# KiCad board kim-1.kicad_pcb (continued)
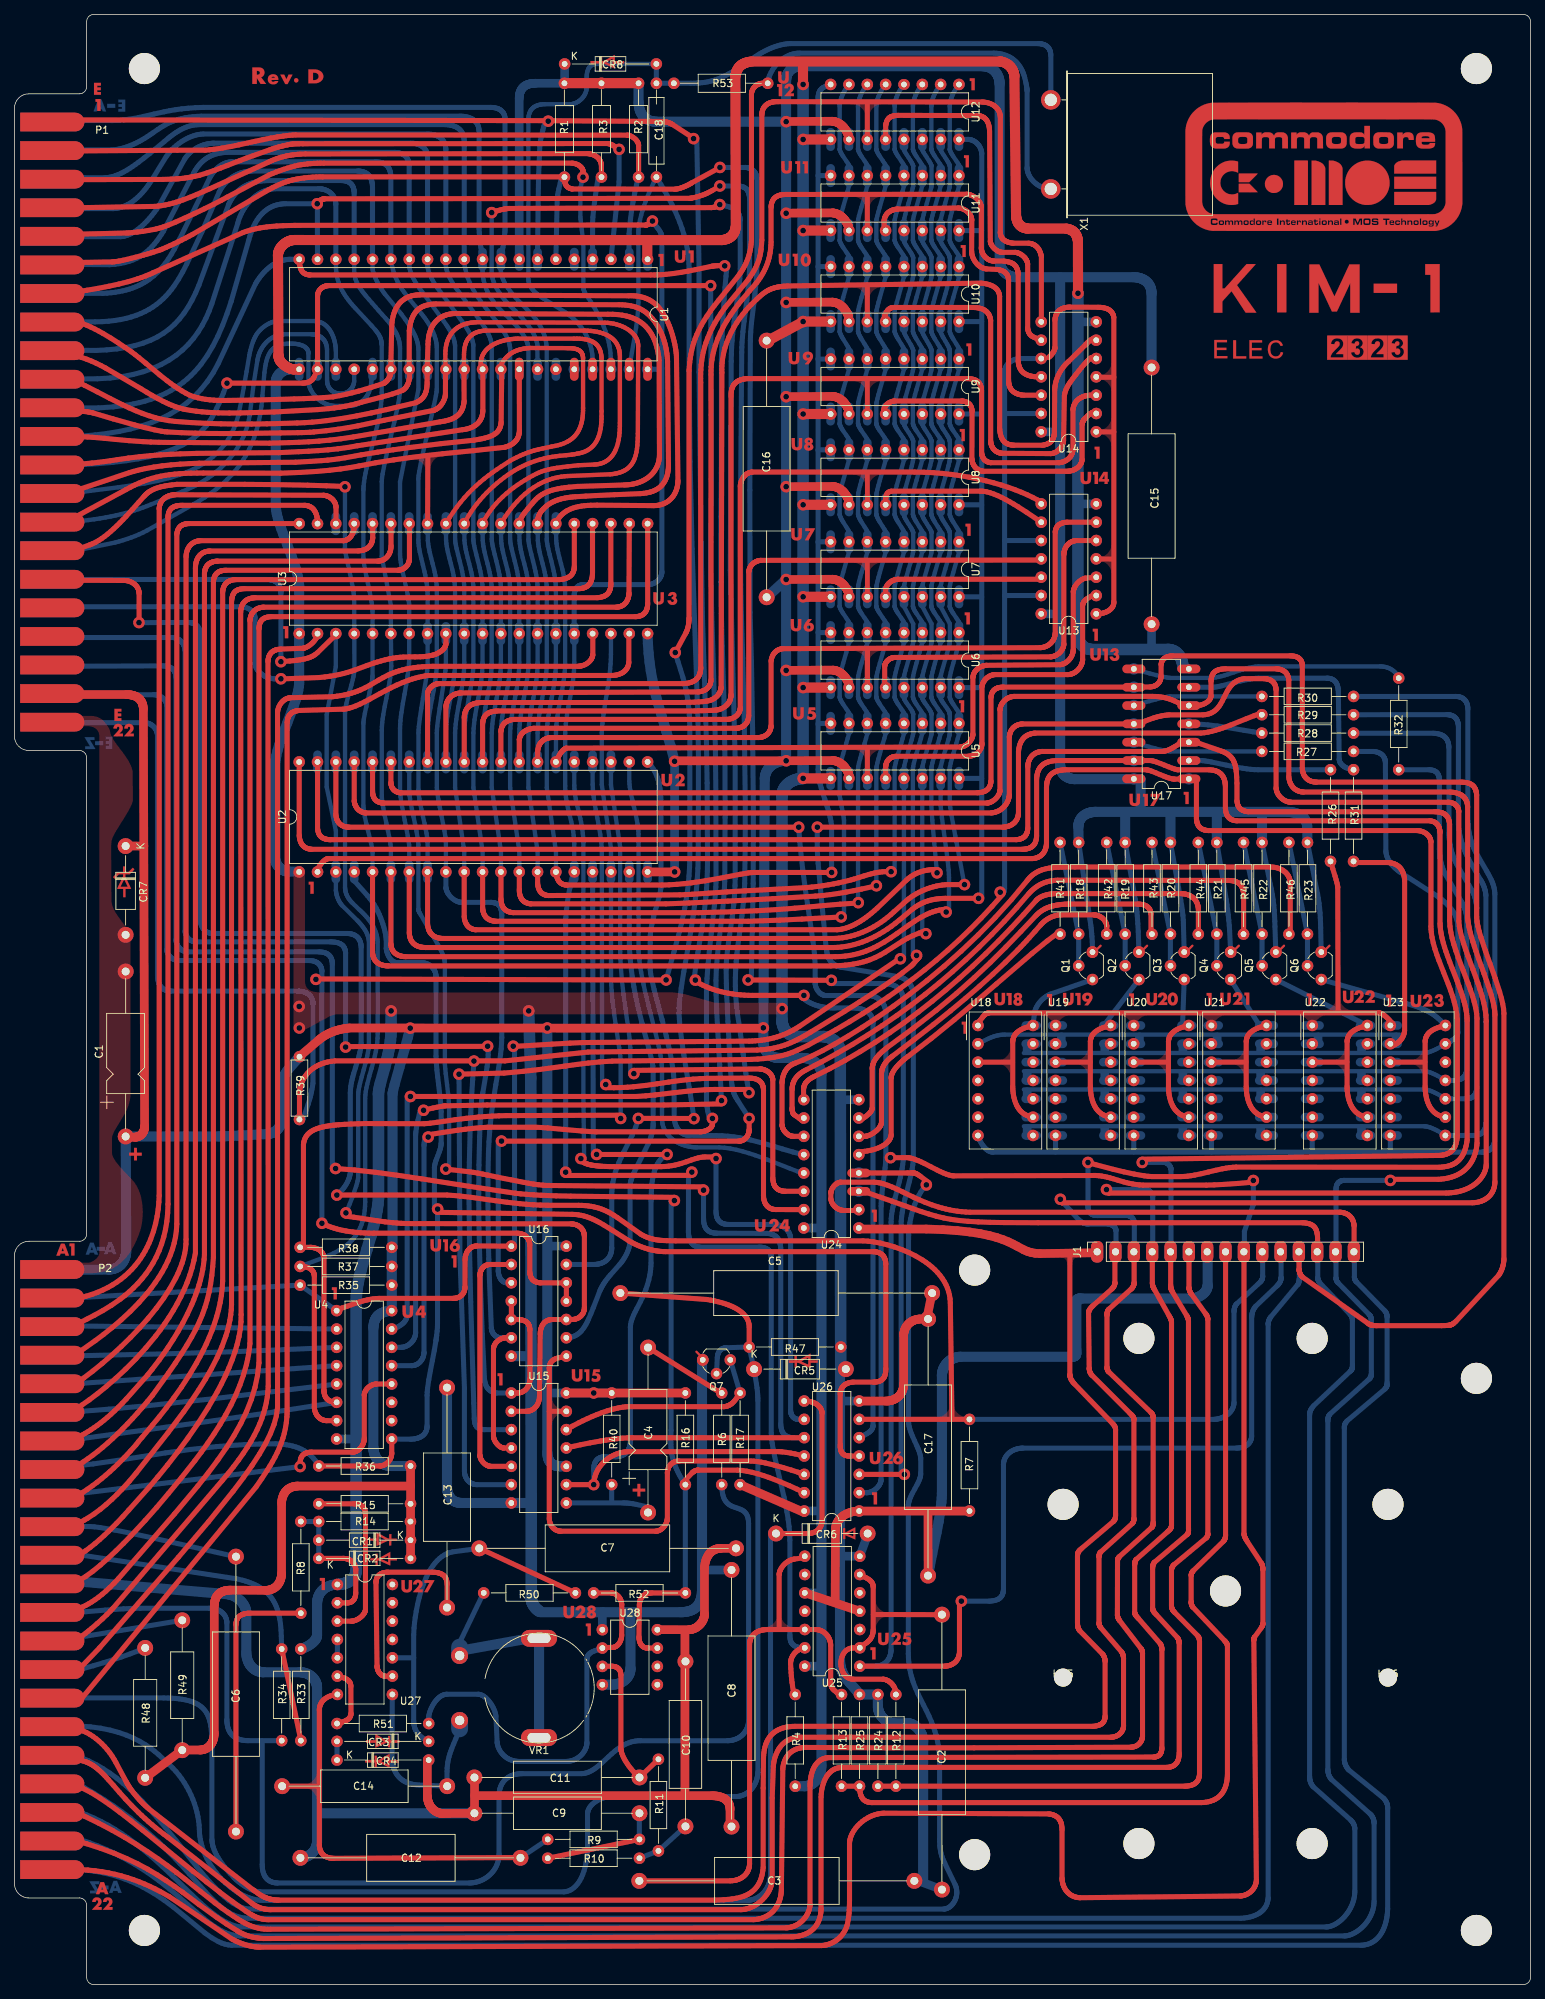
[diagram p0: board, top side]
## Routing (per net, layer and track width the routed paths; a pad name or vN(x,y) marks a point on that pad's centre or on a via; arc(x,y) is an arc through that point) (continued)
  Bottom w0.127: 95.25,57.45 95.24,57.46 ; 81.43,51.55 81.48,51.6
  Bottom w1.2: 149.84,230.4 147.24,230.4 ; 118.18,62.33 117.08,59.36 114.34,59.36 ; 44.62,75.6 47.31,75.6 ; U13.7 147.29,205.18 ; U28.1 81.43,51.55 ; 116.95,122.61 114.42,122.61 ; 117,80.86 114.3,80.86 ; 157.5,188.5 157.5,185.01 ; C8.2 95.25,57.45 ; 128.47,13.16 125.2,14.37
  Bottom w1.4: 39.53,154.23 37.96,154.23 37.88,154.23 37.79,154.24 37.71,154.25 37.62,154.27 37.54,154.29 37.46,154.32 37.37,154.35 37.29,154.38 37.21,154.42 37.14,154.46 37.06,154.51 36.98,154.56 36.91,154.61 36.84,154.67 36.77,154.73 36.7,154.79 36.64,154.85 36.58,154.92 36.52,154.99 36.46,155.06 36.41,155.13 36.36,155.21 36.32,155.28 36.28,155.36 36.24,155.44 36.21,155.52 36.18,155.6 36.16,155.68 36.14,155.77 36.13,155.85 36.12,155.93 36.11,156.01 36.11,168.96 36.13,169.26 36.16,169.58 36.26,170.25 36.43,170.96 36.65,171.7 36.9,172.47 37.18,173.25 37.79,174.85 38.4,176.42 38.68,177.19 38.93,177.92 39.14,178.62 39.3,179.28 39.4,179.9 39.43,180.18 39.43,180.45 39.43,193.85 39.38,194.43 39.27,195.07 39.1,195.74 38.89,196.46 38.65,197.2 38.38,197.96 37.79,199.5 37.21,201.03 36.94,201.77 36.7,202.48 36.5,203.15 36.34,203.77 36.24,204.34 36.2,204.86 36.2,221.96 36.2,222.06 36.21,222.16 36.22,222.26 36.24,222.35 36.26,222.44 36.29,222.53 36.33,222.62 36.37,222.71 36.41,222.79 36.46,222.87 36.51,222.95 36.56,223.03 36.62,223.1 36.69,223.17 36.75,223.24 36.82,223.31 36.9,223.37 36.97,223.43 37.05,223.48 37.13,223.53 37.22,223.58 37.3,223.62 37.39,223.67 37.48,223.7 37.58,223.73 37.67,223.76 37.77,223.79 37.86,223.81 37.96,223.82 38.06,223.84 38.16,223.84 38.27,223.85 39.12,223.84 ; 59.92,82.71 59.92,69.03 59.92,68.81 59.94,68.59 59.97,68.37 60.02,68.17 60.09,67.97 60.12,67.87 60.17,67.78 60.21,67.69 60.26,67.6 60.32,67.52 60.38,67.44 60.44,67.36 60.51,67.29 60.58,67.22 60.65,67.15 60.73,67.09 60.82,67.03 60.9,66.98 61,66.93 61.1,66.89 61.2,66.85 61.3,66.82 61.42,66.79 61.53,66.77 61.65,66.75 61.78,66.74 61.91,66.73 71.49,66.73 ; 44.73,55.45 44.46,55.43 44.19,55.39 43.93,55.34 43.8,55.3 43.67,55.26 43.55,55.22 43.43,55.17 43.31,55.11 43.2,55.05 43.09,54.99 42.98,54.91 42.88,54.84 42.78,54.76 42.68,54.67 42.59,54.58 42.51,54.48 42.43,54.38 42.35,54.27 42.28,54.16 42.22,54.04 42.16,53.92 42.1,53.79 42.06,53.66 42.02,53.52 41.98,53.38 41.95,53.22 41.93,53.07 41.92,52.91 41.91,52.74 41.91,48.46 41.91,48.37 41.9,48.28 41.88,48.2 41.85,48.11 41.82,48.03 41.78,47.94 41.73,47.86 41.68,47.78 41.63,47.71 41.57,47.63 41.43,47.48 41.28,47.35 41.11,47.21 40.94,47.09 40.76,46.98 40.57,46.87 40.38,46.78 40.2,46.69 40.01,46.62 39.84,46.55 39.67,46.5 ; 114.35,85.33 114.35,44.84 114.36,44.64 114.37,44.44 114.4,44.25 114.43,44.07 114.47,43.89 114.52,43.71 114.57,43.55 114.64,43.39 114.7,43.23 114.78,43.08 114.94,42.79 115.13,42.51 115.33,42.24 115.54,41.98 115.75,41.73 116.2,41.24 116.42,40.99 116.64,40.73 116.84,40.47 117.04,40.2 119.58,40.19 119.6,38.49 119.61,38.38 119.62,38.27 119.64,38.16 119.66,38.05 119.69,37.94 119.73,37.84 119.77,37.74 119.81,37.63 119.86,37.53 119.92,37.43 119.98,37.34 120.04,37.24 120.11,37.15 120.18,37.06 120.26,36.98 120.33,36.9 120.42,36.82 120.5,36.74 120.59,36.67 120.68,36.61 120.77,36.54 120.87,36.49 120.97,36.43 121.07,36.38 121.17,36.34 121.27,36.3 121.38,36.27 121.48,36.24 121.59,36.22 121.7,36.21 121.81,36.2 121.92,36.2 123.67,36.22 123.78,36.21 123.89,36.2 123.99,36.18 124.1,36.16 124.2,36.12 124.3,36.09 124.4,36.04 124.5,35.99 124.6,35.94 124.69,35.88 124.78,35.81 124.87,35.74 124.96,35.67 125.04,35.59 125.12,35.51 125.2,35.43 125.27,35.34 125.34,35.25 125.41,35.15 125.47,35.06 125.53,34.96 125.58,34.85 125.63,34.75 125.68,34.64 125.72,34.54 125.76,34.43 125.79,34.32 125.82,34.21 125.84,34.1 125.85,33.99 125.86,33.87 125.87,33.76 125.86,14.37 ; 81.43,41.55 82.78,41.55 83.01,41.57 83.24,41.6 83.47,41.65 83.69,41.72 83.91,41.8 84.02,41.85 84.12,41.9 84.22,41.96 84.32,42.02 84.42,42.09 84.51,42.16 84.6,42.23 84.69,42.31 84.77,42.39 84.85,42.48 84.92,42.57 84.99,42.67 85.05,42.77 85.11,42.88 85.16,42.99 85.2,43.1 85.24,43.22 85.27,43.35 85.3,43.47 85.32,43.61 85.33,43.75 85.33,43.89 85.33,51.42 ; 72.91,51.6 92.26,51.6 92.47,51.6 92.66,51.62 92.85,51.63 93.03,51.66 93.2,51.69 93.37,51.73 93.52,51.77 93.67,51.82 93.81,51.88 93.94,51.94 94.06,52.01 94.18,52.09 94.29,52.17 94.4,52.26 94.49,52.35 94.58,52.45 94.67,52.55 94.75,52.66 94.82,52.78 94.88,52.9 94.94,53.03 94.99,53.16 95.04,53.3 95.08,53.44 95.12,53.59 95.15,53.74 95.2,54.06 95.23,54.4 95.24,54.76 95.24,86.56 ; U16.7 71.52,87.08
  Bottom w1.6: 72.73,51.72 72.68,51.75 72.56,51.83 72.47,51.9 72.38,51.98 72.28,52.07 72.17,52.18 72.07,52.31 71.96,52.45 71.87,52.6 71.82,52.68 71.78,52.77 71.74,52.86 71.71,52.95 71.67,53.04 71.65,53.14 71.62,53.25 71.61,53.36 71.6,53.47 71.59,53.58 71.52,125.6 71.23,134.92 ; 147.31,234.35 147.31,187.32 147.31,187.08 147.33,186.86 147.37,186.64 147.42,186.43 147.48,186.23 147.52,186.13 147.56,186.04 147.61,185.95 147.66,185.87 147.71,185.78 147.77,185.7 147.83,185.63 147.89,185.55 147.96,185.49 148.04,185.42 148.11,185.36 148.19,185.3 148.28,185.25 148.37,185.2 148.46,185.16 148.55,185.12 148.65,185.09 148.76,185.06 148.86,185.04 148.97,185.02 149.09,185.01 149.21,185 159.73,185 159.86,185 159.99,184.98 160.11,184.97 160.23,184.94 160.34,184.91 160.45,184.87 160.55,184.83 160.65,184.78 160.75,184.72 160.84,184.66 160.93,184.59 161.02,184.52 161.1,184.45 161.17,184.37 161.24,184.29 161.31,184.2 161.38,184.11 161.44,184.02 161.49,183.92 161.54,183.83 161.59,183.72 161.64,183.62 161.67,183.52 161.71,183.41 161.74,183.3 161.77,183.19 161.81,182.97 161.83,182.75 161.84,182.52 ; 109.24,263.3 109.24,167.13 109.08,167.13 108.92,167.11 108.77,167.09 108.62,167.07 108.48,167.04 108.34,167.01 108.2,166.96 108.06,166.92 107.93,166.87 107.81,166.81 107.68,166.75 107.57,166.69 107.45,166.62 107.34,166.55 107.24,166.47 107.14,166.39 107.04,166.31 106.95,166.22 106.87,166.13 106.79,166.04 106.72,165.94 106.65,165.84 106.59,165.74 106.53,165.63 106.48,165.52 106.44,165.41 106.4,165.3 106.37,165.18 106.35,165.06 106.33,164.94 106.32,164.82 106.32,164.7 106.32,133.71 106.32,133.59 106.33,133.47 106.34,133.35 106.36,133.23 106.38,133.12 106.4,133 106.43,132.89 106.47,132.79 106.51,132.68 106.56,132.58 106.6,132.48 106.66,132.39 106.72,132.3 106.78,132.21 106.84,132.13 106.91,132.04 106.99,131.97 107.06,131.89 107.14,131.83 107.23,131.76 107.32,131.7 107.41,131.64 107.5,131.59 107.6,131.55 107.7,131.5 107.81,131.47 107.92,131.44 108.03,131.41 108.14,131.39 108.26,131.37 108.38,131.36 108.5,131.36 111.97,131.36 112.09,131.36 112.21,131.35 112.32,131.33 112.44,131.31 112.55,131.29 112.66,131.26 112.77,131.23 112.88,131.19 112.98,131.14 113.08,131.1 113.18,131.04 113.28,130.99 113.38,130.93 113.47,130.86 113.56,130.8 113.64,130.72 113.72,130.65 113.8,130.57 113.88,130.49 113.94,130.41 114.01,130.32 114.07,130.23 114.13,130.13 114.18,130.04 114.22,129.94 114.26,129.84 114.3,129.73 114.33,129.62 114.35,129.52 114.37,129.41 114.38,129.29 114.39,129.18 114.45,85.28 ; 44.73,55.45 44.96,55.46 45.19,55.48 45.42,55.52 45.65,55.57 45.76,55.6 45.87,55.64 45.98,55.68 46.09,55.72 46.19,55.77 46.29,55.82 46.39,55.88 46.48,55.94 46.58,56 46.66,56.07 46.75,56.14 46.83,56.21 46.9,56.29 46.97,56.37 47.03,56.46 47.09,56.55 47.14,56.64 47.19,56.74 47.23,56.84 47.26,56.94 47.29,57.05 47.31,57.17 47.32,57.28 47.32,57.41 47.32,94.66 47.36,95.5 47.46,96.37 47.61,97.25 47.8,98.16 48.03,99.07 48.28,100 48.82,101.87 49.37,103.73 49.87,105.55 50.07,106.44 50.24,107.31 50.36,108.15 50.42,108.97 50.42,123.43 50.44,123.74 50.5,124.1 50.58,124.5 50.69,124.94 51.28,127.06 51.6,128.27 51.74,128.9 51.87,129.53 51.99,130.18 52.08,130.82 52.14,131.47 52.17,132.11 52.17,134.92
  vias: v1(39.44,135.54) v1(39.46,132.55) v1(52.17,134.92) v1(71.23,134.92) v1(106.33,135.24) v1(109.24,263.3) v1(109.24,255.68) v1(147.31,234.36)
VCC: length 1362.1
  Top w1.2: 91.44,169.57 106.89,169.58 113.35,169.61 113.45,169.6 113.56,169.59 113.68,169.56 113.8,169.53 113.92,169.49 114.05,169.44 114.17,169.38 114.3,169.31 114.44,169.23 114.57,169.13 114.7,169.02 114.76,168.96 114.83,168.89 114.89,168.83 114.96,168.75 115.02,168.68 115.08,168.6 115.15,168.51 115.21,168.42 115.27,168.33 115.33,168.23 115.37,168.16 115.42,168.07 115.45,168.02 115.47,167.97 115.49,167.91 115.52,167.85 115.54,167.78 115.56,167.71 115.58,167.63 115.6,167.54 115.61,167.45 115.63,167.35 115.63,167.24 115.64,167.12 ; 132.29,65.61 116.99,65.61 116.69,65.6 116.4,65.57 116.1,65.52 115.81,65.44 115.53,65.34 115.26,65.23 115,65.09 114.88,65.01 114.76,64.93 114.65,64.85 114.54,64.75 114.43,64.66 114.34,64.56 114.24,64.45 114.16,64.34 114.08,64.23 114.01,64.11 113.94,63.98 113.89,63.85 113.84,63.72 113.8,63.58 113.76,63.44 113.74,63.29 113.73,63.14 113.72,62.98 113.68,53.18 ; 103.72,132.52 46.4,132.55 46.12,132.52 45.84,132.48 45.56,132.43 45.28,132.38 45.01,132.32 44.74,132.24 44.47,132.16 44.21,132.07 43.95,131.97 43.69,131.86 43.44,131.74 43.19,131.61 42.94,131.47 42.7,131.31 42.47,131.14 42.24,130.96 39.46,128.58 ; 115.6,217.64 115.6,217.7 115.59,217.76 115.59,217.81 115.58,217.86 115.58,217.91 115.57,217.96 115.56,218 115.55,218.09 115.53,218.17 115.51,218.24 115.48,218.31 115.46,218.37 115.43,218.43 115.41,218.49 115.38,218.53 115.36,218.58 115.34,218.62 115.29,218.69 115.23,218.79 115.17,218.88 115.11,218.97 115.05,219.06 114.99,219.14 114.92,219.21 114.86,219.29 114.79,219.36 114.73,219.42 114.66,219.48 114.6,219.54 114.53,219.59 114.4,219.69 114.27,219.77 114.14,219.84 114.01,219.9 113.88,219.95 113.76,219.99 113.64,220.02 113.53,220.05 113.42,220.06 113.31,220.07 106.89,220.04 ; 106.89,182.11 113.35,182.14 113.45,182.13 113.56,182.12 113.68,182.09 113.8,182.06 113.92,182.02 114.05,181.97 114.17,181.91 114.31,181.84 114.44,181.76 114.57,181.66 114.63,181.61 114.7,181.55 114.76,181.49 114.83,181.43 114.89,181.36 114.96,181.28 115.02,181.21 115.09,181.13 115.15,181.04 115.21,180.95 115.27,180.86 115.33,180.76 115.37,180.69 115.4,180.65 115.42,180.6 115.45,180.56 115.47,180.5 115.5,180.44 115.52,180.38 115.54,180.31 115.56,180.24 115.58,180.16 115.6,180.07 115.61,180.03 115.62,179.98 115.62,179.93 115.63,179.88 115.63,179.83 115.63,179.77 115.64,179.71 ; 115.59,243.07 115.59,243.13 115.59,243.18 115.58,243.24 115.58,243.29 115.57,243.34 115.56,243.38 115.56,243.43 115.54,243.52 115.52,243.6 115.5,243.67 115.48,243.74 115.45,243.8 115.43,243.86 115.4,243.91 115.38,243.96 115.35,244.01 115.33,244.05 115.28,244.12 115.23,244.22 115.16,244.31 115.1,244.4 115.04,244.49 114.98,244.57 114.91,244.64 114.85,244.72 114.79,244.78 114.72,244.85 114.65,244.91 114.59,244.97 114.52,245.02 114.39,245.12 114.26,245.2 114.13,245.27 114,245.33 113.88,245.38 113.75,245.42 113.63,245.45 113.52,245.47 113.41,245.49 113.31,245.5 106.89,245.47 ; v1(106.89,194.7) 113.32,194.73 113.42,194.72 113.53,194.71 113.65,194.68 113.77,194.65 113.89,194.61 114.01,194.56 114.14,194.5 114.27,194.43 114.4,194.35 114.54,194.25 114.6,194.2 114.67,194.14 114.73,194.08 114.8,194.02 114.86,193.95 114.93,193.88 114.99,193.8 115.05,193.72 115.12,193.63 115.18,193.55 115.24,193.45 115.3,193.35 115.34,193.28 115.36,193.24 115.39,193.2 115.41,193.15 115.44,193.09 115.46,193.03 115.49,192.97 115.51,192.9 115.53,192.83 115.55,192.75 115.57,192.66 115.58,192.62 115.58,192.57 115.59,192.52 115.59,192.47 115.6,192.42 115.6,192.36 115.61,192.3 ; v1(91.45,154.18) U2.20 ; 106.89,233.1 113.28,233.13 113.38,233.13 113.49,233.11 113.61,233.09 113.73,233.06 113.85,233.02 113.97,232.97 114.1,232.91 114.23,232.83 114.36,232.75 114.5,232.65 114.56,232.6 114.63,232.54 114.69,232.48 114.76,232.42 114.82,232.35 114.89,232.28 114.95,232.2 115.01,232.12 115.08,232.04 115.14,231.95 115.2,231.85 115.26,231.76 115.3,231.68 115.32,231.64 115.35,231.6 115.37,231.55 115.4,231.5 115.42,231.44 115.45,231.37 115.47,231.31 115.49,231.23 115.51,231.15 115.53,231.06 115.54,231.02 115.54,230.97 115.55,230.92 115.55,230.87 115.56,230.82 115.56,230.76 115.56,230.71 115.57,230.65 ; 54.87,59.04 54.87,71.85 ; 126.56,56.64 126.54,65.57 ; 15.41,117.43 16.63,117.42 16.7,117.42 16.78,117.43 16.86,117.44 16.93,117.45 17,117.47 17.07,117.49 17.14,117.51 17.2,117.54 17.27,117.57 17.33,117.6 17.39,117.64 17.44,117.68 17.5,117.72 17.55,117.77 17.6,117.82 17.65,117.87 17.69,117.92 17.73,117.97 17.77,118.03 17.81,118.09 17.85,118.15 17.88,118.22 17.91,118.28 17.93,118.35 17.95,118.42 17.97,118.49 17.99,118.56 18.01,118.63 18.02,118.7 18.02,118.78 18.03,118.85 18.03,118.93 17.86,176.74 17.84,176.97 17.81,177.18 17.78,177.29 17.75,177.39 17.72,177.49 17.69,177.58 17.65,177.67 17.6,177.76 17.55,177.84 17.5,177.92 17.45,178 17.39,178.07 17.32,178.14 17.25,178.21 17.18,178.27 17.1,178.33 17.02,178.39 16.93,178.44 16.84,178.49 16.74,178.53 16.64,178.57 16.53,178.61 16.42,178.64 16.31,178.67 16.19,178.69 16.06,178.71 15.93,178.73 15.8,178.74 15.51,178.76 7.81,178.76 ; 76.45,81.97 92.94,81.98 ; 115.6,205.11 115.6,205.17 115.6,205.22 115.59,205.28 115.59,205.33 115.58,205.38 115.58,205.43 115.57,205.48 115.56,205.52 115.55,205.61 115.53,205.69 115.5,205.77 115.48,205.83 115.46,205.9 115.43,205.96 115.41,206.01 115.38,206.06 115.36,206.1 115.33,206.14 115.29,206.22 115.23,206.31 115.17,206.41 115.11,206.5 115.05,206.58 114.98,206.66 114.92,206.74 114.86,206.81 114.79,206.88 114.73,206.94 114.66,207 114.6,207.06 114.53,207.11 114.4,207.21 114.27,207.29 114.14,207.37 114.01,207.43 113.88,207.48 113.76,207.52 113.64,207.55 113.53,207.57 113.42,207.59 113.31,207.6 106.89,207.56 ; 54.87,69.08 39.24,69.08 39.1,69.07 38.96,69.06 38.82,69.04 38.69,69.01 38.57,68.98 38.45,68.94 38.34,68.9 38.23,68.85 38.13,68.8 38.03,68.74 37.94,68.68 37.85,68.61 37.77,68.54 37.69,68.46 37.61,68.38 37.54,68.3 37.48,68.22 37.42,68.13 37.36,68.04 37.31,67.94 37.26,67.84 37.22,67.75 37.15,67.54 37.09,67.33 37.04,67.11 37.01,66.89 37,66.67 37,56.98 36.99,56.85 36.99,56.73 36.97,56.61 36.95,56.49 36.93,56.38 36.9,56.27 36.87,56.15 36.83,56.05 36.79,55.94 36.75,55.84 36.7,55.74 36.65,55.65 36.59,55.56 36.53,55.47 36.47,55.39 36.4,55.31 36.32,55.23 36.25,55.16 36.17,55.09 36.08,55.02 36,54.96 35.9,54.91 35.81,54.86 35.71,54.81 35.61,54.77 35.5,54.73 35.4,54.7 35.28,54.68 35.17,54.66 35.05,54.64 34.93,54.63 34.8,54.62 29.94,54.66 29.71,54.65 29.48,54.63 29.26,54.59 29.16,54.57 29.06,54.54 28.96,54.51 28.86,54.47 28.77,54.43 28.68,54.39 28.59,54.34 28.51,54.28 28.42,54.23 28.35,54.16 28.27,54.1 28.2,54.02 28.14,53.95 28.07,53.87 28.02,53.78 27.96,53.69 27.91,53.59 27.87,53.49 27.83,53.38 27.79,53.27 27.76,53.15 27.73,53.03 27.71,52.9 27.7,52.77 27.69,52.63 27.68,52.48 27.68,34.88 27.67,34.67 27.65,34.46 27.62,34.25 27.57,34.04 27.54,33.94 27.5,33.84 27.46,33.74 27.42,33.64 27.37,33.55 27.32,33.45 27.27,33.36 27.21,33.28 27.15,33.2 27.08,33.12 27.01,33.04 26.93,32.97 26.85,32.9 26.77,32.84 26.68,32.78 26.59,32.73 26.49,32.68 26.39,32.63 26.28,32.6 26.17,32.56 26.05,32.54 25.93,32.52 25.8,32.51 25.67,32.5 23.23,32.5 18.15,28.67 ; 106.89,258.16 113.27,258.2 113.37,258.19 113.48,258.17 113.6,258.15 113.72,258.12 113.84,258.08 113.97,258.03 114.09,257.97 114.22,257.9 114.36,257.81 114.49,257.72 114.55,257.66 114.62,257.61 114.68,257.55 114.75,257.48 114.81,257.41 114.88,257.34 114.94,257.26 115,257.18 115.07,257.1 115.13,257.01 115.19,256.92 115.25,256.82 115.29,256.75 115.32,256.71 115.34,256.66 115.37,256.61 115.39,256.56 115.42,256.5 115.44,256.44 115.46,256.37 115.48,256.29 115.5,256.21 115.52,256.13 115.53,256.08 115.53,256.03 115.54,255.98 115.55,255.93 115.55,255.88 115.55,255.83 115.56,255.77 115.56,255.71 ; 100.52,69.28 109.4,65.41 ; 15.42,157.79 17.93,157.75 ; 109.48,54.28 117.09,51.74
  Top w1.4: 76.2,263.48 86.42,263.48
  Bottom w0.127: 111.75,54.28 111.78,54.25
  Bottom w0.7: 168.46,143.07 168.31,146.09 168.26,146.78 168.2,147.49 168.13,148.2 168.04,148.93 167.94,149.66 167.84,150.37 167.62,151.75 166.55,158.26 ; 179.1,158.26 180.37,151.73 180.5,151.12 180.61,150.48 180.7,149.83 180.78,149.17 180.84,148.5 180.88,147.81 180.91,147.11 180.93,146.41 180.99,143.07 ; 147.41,158.26 148.96,147.65 149.03,147.24 149.08,146.83 149.13,146.43 149.17,146.04 149.21,145.64 149.24,145.25 149.29,144.49 149.31,143.07 ; 174.71,143.07 174.59,146.61 174.58,147.35 174.54,148.09 174.49,148.83 174.43,149.57 174.34,150.31 174.23,151.05 174.1,151.79 173.93,152.53 172.81,158.26 ; 160.11,158.25 161.14,152.54 161.42,151.02 161.55,150.29 161.67,149.58 161.77,148.87 161.85,148.17 161.9,147.46 161.92,147.1 161.92,146.73 162.02,143.08 ; 153.85,158.26 155.26,150.33 155.35,149.75 155.42,149.19 155.48,148.63 155.53,148.08 155.57,147.54 155.6,146.99 155.66,145.9 155.75,143.09
  Bottom w1.2: 109.46,44.12 111.76,44.12 ; 109.38,65.63 111.8,65.63 ; 142.35,189.94 144.8,189.94 ; 76.21,266.15 76.21,263.46 ; 76.17,263.46 72.22,263.46 72.07,263.46 71.93,263.45 71.79,263.44 71.66,263.43 71.53,263.41 71.41,263.39 71.3,263.36 71.19,263.33 71.08,263.29 70.98,263.25 70.88,263.2 70.79,263.15 70.7,263.1 70.62,263.04 70.54,262.98 70.47,262.91 70.4,262.84 70.34,262.77 70.28,262.69 70.23,262.61 70.18,262.53 70.13,262.44 70.09,262.34 70.06,262.25 70.02,262.15 70,262.04 69.97,261.93 69.95,261.82 69.94,261.71 69.93,261.59 69.92,261.34 69.92,239.06 ; 82.73,81.97 73.79,81.98 ; 142.31,215.16 144.79,215.16 ; 91.44,154.21 91.44,169.5 ; U25.10 111.75,54.28 ; 109.34,104.84 111.38,104.84 ; 76.43,102.32 73.84,102.32
  Bottom w1.4: 91.44,169.5 90.9,171.59 90.3,173.61 89.7,175.61 89.11,177.64 88.84,178.69 88.58,179.76 88.35,180.87 88.14,182.02 87.97,183.22 87.84,184.48 87.74,185.81 87.69,187.2 ; 54.81,132.53 54.5,131.29 54.13,129.92 53.33,127.09 52.65,124.7 52.45,123.88 52.39,123.6 52.37,123.42 52.37,102.2 ; 39.48,128.57 37.93,126.83 37.75,126.58 37.58,126.32 37.43,126.05 37.36,125.91 37.29,125.76 37.24,125.62 37.18,125.46 37.14,125.31 37.1,125.14 37.07,124.98 37.05,124.81 37.03,124.63 37.03,124.45 37.03,120.05 37.03,119.95 37.03,119.86 37.02,119.76 37,119.67 36.99,119.57 36.97,119.47 36.94,119.38 36.91,119.29 36.88,119.2 36.84,119.1 36.8,119.02 36.75,118.93 36.7,118.84 36.65,118.76 36.59,118.68 36.52,118.6 36.46,118.52 36.39,118.45 36.31,118.38 36.23,118.31 36.15,118.25 36.06,118.19 35.97,118.14 35.88,118.09 35.78,118.04 35.68,118 35.57,117.96 35.47,117.93 35.35,117.9 35.24,117.88 35.12,117.86 34.99,117.85 31.03,117.64 29.13,117.55 28.27,117.53 27.5,117.52 15.41,117.52 15.49,101.79 15.48,101.52 15.46,101.38 15.45,101.25 15.42,101.12 15.4,100.99 15.37,100.87 15.33,100.75 15.29,100.63 15.24,100.51 15.19,100.4 15.13,100.29 15.07,100.18 15.01,100.08 14.94,99.98 14.86,99.89 14.78,99.8 14.7,99.72 14.61,99.64 14.51,99.56 14.41,99.49 14.31,99.42 14.2,99.36 14.09,99.31 13.97,99.26 13.84,99.22 13.72,99.18 13.58,99.15 13.44,99.12 13.3,99.1 13.16,99.09 13,99.08 7.44,99.03 ; 172.81,158.26 172.81,162.48 ; 104.18,192.22 106.88,194.69 ; 157.5,224.06 157.5,234.28 157.5,234.42 157.49,234.56 157.48,234.69 157.45,234.82 157.42,234.95 157.39,235.07 157.35,235.19 157.3,235.3 157.25,235.4 157.19,235.51 157.13,235.6 157.06,235.7 156.99,235.78 156.92,235.87 156.84,235.95 156.75,236.02 156.66,236.09 156.57,236.15 156.47,236.21 156.37,236.27 156.27,236.32 156.16,236.37 156.05,236.41 155.93,236.45 155.82,236.48 155.7,236.51 155.58,236.53 155.45,236.55 155.2,236.58 154.94,236.59 138.8,236.59 138.67,236.6 138.55,236.61 138.42,236.62 138.3,236.64 138.18,236.67 138.07,236.7 137.96,236.74 137.85,236.78 137.74,236.83 137.64,236.88 137.54,236.94 137.45,237 137.36,237.07 137.27,237.14 137.19,237.21 137.11,237.29 137.03,237.37 136.96,237.45 136.9,237.54 136.84,237.63 136.78,237.73 136.73,237.83 136.68,237.93 136.63,238.03 136.59,238.14 136.56,238.25 136.53,238.36 136.51,238.48 136.49,238.59 136.48,238.71 136.47,238.83 136.46,238.95 136.46,263.32 136.46,263.45 136.45,263.57 136.44,263.69 136.42,263.82 136.4,263.94 136.37,264.05 136.34,264.17 136.31,264.28 136.26,264.39 136.22,264.5 136.17,264.6 136.11,264.7 136.05,264.8 135.99,264.9 135.92,264.99 135.85,265.08 135.77,265.16 135.69,265.24 135.6,265.31 135.51,265.38 135.42,265.45 135.32,265.51 135.22,265.57 135.11,265.62 135,265.66 134.89,265.7 134.77,265.74 134.65,265.77 134.52,265.79 134.39,265.81 134.26,265.82 134.13,265.82 109.1,265.82 108.96,265.82 108.83,265.81 108.7,265.8 108.58,265.79 108.46,265.77 108.34,265.74 108.23,265.71 108.13,265.67 108.02,265.64 107.93,265.59 107.83,265.55 107.74,265.5 107.66,265.44 107.58,265.38 107.5,265.32 107.43,265.26 107.36,265.19 107.3,265.11 107.24,265.04 107.19,264.96 107.14,264.88 107.09,264.79 107.05,264.71 107.02,264.62 106.98,264.52 106.96,264.43 106.93,264.33 106.91,264.23 106.9,264.13 106.89,264.03 106.88,263.81 106.88,169.58 106.59,169.57 106.3,169.53 106.02,169.48 105.75,169.4 105.63,169.36 105.5,169.31 105.38,169.25 105.26,169.19 105.15,169.13 105.03,169.06 104.93,168.99 104.83,168.91 104.73,168.82 104.64,168.74 104.55,168.64 104.47,168.55 104.39,168.45 104.32,168.34 104.25,168.23 104.19,168.12 104.13,168 104.09,167.88 104.04,167.76 104.01,167.63 103.98,167.5 103.95,167.36 103.94,167.22 103.93,167.08 103.73,130.67 103.73,130.55 103.74,130.43 103.75,130.32 103.77,130.2 103.79,130.09 103.82,129.98 103.85,129.87 103.88,129.77 103.92,129.67 103.97,129.57 104.02,129.47 104.07,129.38 104.13,129.29 104.19,129.21 104.25,129.12 104.32,129.05 104.39,128.97 104.47,128.9 104.55,128.84 104.63,128.77 104.72,128.72 104.81,128.66 104.9,128.62 105,128.57 105.09,128.53 105.2,128.5 105.3,128.47 105.41,128.45 105.52,128.43 105.63,128.41 105.75,128.41 105.86,128.4 109.14,128.4 109.38,128.39 109.62,128.36 109.86,128.32 110.09,128.25 110.32,128.16 110.53,128.06 110.64,128 110.74,127.94 110.84,127.88 110.93,127.81 111.02,127.73 111.11,127.65 111.19,127.57 111.27,127.48 111.34,127.39 111.41,127.29 111.47,127.19 111.53,127.09 111.59,126.98 111.63,126.87 111.67,126.76 111.71,126.64 111.74,126.52 111.76,126.39 111.77,126.26 111.78,126.13 111.78,30.44 111.77,30.15 111.73,29.86 111.68,29.58 111.6,29.31 111.5,29.05 111.39,28.8 111.25,28.57 111.18,28.47 111.1,28.36 111.02,28.26 110.93,28.17 110.84,28.08 110.75,28 110.65,27.92 110.55,27.85 110.45,27.78 110.34,27.72 110.23,27.67 110.11,27.62 109.99,27.58 109.87,27.55 109.75,27.52 109.63,27.5 109.5,27.49 109.37,27.49 R4.2 ; 52.26,93.39 52.27,102.16 ; 106.89,258.13 88.98,258.13 88.82,258.14 88.66,258.15 88.51,258.17 88.37,258.19 88.23,258.22 88.09,258.26 87.97,258.3 87.84,258.35 87.73,258.41 87.62,258.47 87.51,258.54 87.41,258.61 87.31,258.69 87.22,258.77 87.14,258.85 87.06,258.95 86.98,259.04 86.91,259.14 86.85,259.24 86.79,259.35 86.73,259.46 86.68,259.58 86.64,259.7 86.6,259.82 86.53,260.07 86.49,260.34 86.46,260.61 86.45,260.89 86.45,263.46 ; 54.85,71.86 52.24,71.86 52.1,71.86 51.96,71.87 51.82,71.89 51.69,71.91 51.56,71.94 51.43,71.98 51.31,72.02 51.19,72.06 51.08,72.11 50.97,72.17 50.86,72.23 50.76,72.3 50.66,72.37 50.57,72.45 50.48,72.53 50.4,72.61 50.32,72.7 50.24,72.8 50.17,72.89 50.1,73 50.04,73.1 49.99,73.21 49.94,73.32 49.89,73.44 49.85,73.56 49.81,73.68 49.78,73.8 49.76,73.93 49.74,74.06 49.72,74.19 49.71,74.33 49.71,74.47 49.71,90.91 49.72,91.09 49.73,91.26 49.75,91.42 49.78,91.57 49.81,91.71 49.84,91.85 49.89,91.97 49.93,92.09 49.99,92.21 50.04,92.31 50.11,92.41 50.17,92.51 50.25,92.6 50.32,92.68 50.4,92.75 50.49,92.82 50.57,92.89 50.67,92.95 50.76,93 50.86,93.05 51.07,93.14 51.28,93.22 51.51,93.28 51.75,93.32 51.99,93.36 52.24,93.39 ; 76.45,71.81 75.64,71.81 75.52,71.82 75.4,71.83 75.29,71.84 75.18,71.86 75.08,71.88 74.98,71.9 74.88,71.93 74.8,71.96 74.71,72 74.63,72.04 74.56,72.08 74.48,72.13 74.42,72.18 74.35,72.23 74.29,72.29 74.24,72.35 74.18,72.41 74.14,72.48 74.09,72.55 74.05,72.62 74.01,72.7 73.98,72.78 73.95,72.86 73.92,72.95 73.88,73.13 73.84,73.32 73.82,73.53 73.81,73.75 73.81,132.55 ; 153.85,158.26 153.85,162.48 ; 126.55,56.67 126.82,58.12 127.11,59.62 127.73,62.65 128.01,64.13 128.23,65.53 128.39,66.84 128.44,67.45 128.47,68.02 128.47,84.42 128.47,84.55 128.49,84.68 128.51,84.8 128.53,84.93 128.56,85.05 128.6,85.17 128.64,85.29 128.69,85.41 128.75,85.52 128.8,85.63 128.87,85.74 128.94,85.84 129.01,85.94 129.09,86.04 129.17,86.13 129.26,86.22 129.35,86.31 129.44,86.39 129.54,86.47 129.64,86.54 129.74,86.61 129.85,86.67 129.96,86.73 130.08,86.78 130.19,86.83 130.31,86.87 130.43,86.9 130.55,86.93 130.68,86.96 130.8,86.97 130.93,86.99 131.06,86.99 146.1,86.99 146.27,86.99 146.42,87 146.56,87.01 146.67,87.02 146.72,87.03 146.76,87.04 146.8,87.06 146.84,87.07 146.88,87.09 146.91,87.11 146.94,87.13 146.96,87.15 146.98,87.18 147,87.21 147.02,87.24 147.03,87.27 147.04,87.31 147.05,87.35 147.06,87.39 147.07,87.44 147.08,87.54 147.08,87.66 147.09,87.95 147.09,94.36 147.09,94.48 147.09,94.59 147.1,94.64 147.1,94.68 147.11,94.72 147.12,94.76 147.13,94.8 147.14,94.83 147.15,94.86 147.16,94.89 147.18,94.91 147.2,94.93 147.22,94.95 147.24,94.97 147.26,94.99 147.29,95 147.32,95.01 147.35,95.02 147.38,95.03 147.42,95.04 147.46,95.04 147.5,95.05 147.59,95.06 147.69,95.06 147.92,95.06 163.01,95.06 163.2,95.07 163.4,95.1 163.59,95.15 163.79,95.21 163.98,95.29 164.17,95.38 164.35,95.49 164.52,95.61 164.68,95.74 164.75,95.81 164.82,95.88 164.89,95.95 164.95,96.03 165.01,96.11 165.06,96.2 165.11,96.28 165.15,96.37 165.19,96.46 165.22,96.55 165.24,96.64 165.26,96.73 165.27,96.83 165.28,96.93 165.28,101.56 ; 155.99,162.59 155.99,167.04 146.9,167.04 146.79,167.04 146.67,167.05 146.56,167.06 146.45,167.08 146.34,167.1 146.24,167.13 146.14,167.16 146.05,167.19 145.95,167.23 145.86,167.27 145.78,167.32 145.7,167.36 145.62,167.42 145.54,167.47 145.47,167.53 145.4,167.59 145.34,167.66 145.28,167.72 145.22,167.79 145.17,167.87 145.12,167.94 145.07,168.02 145.03,168.1 145,168.19 144.96,168.27 144.93,168.36 144.91,168.45 144.89,168.54 144.87,168.64 144.85,168.73 144.84,168.83 144.84,168.93 144.84,236.55 ; 160.12,158.26 160.12,162.48 ; 179.1,158.26 179.06,160.4 179.05,160.53 179.04,160.66 179.02,160.79 179,160.91 178.96,161.02 178.92,161.13 178.88,161.24 178.83,161.34 178.77,161.43 178.71,161.53 178.64,161.61 178.56,161.7 178.49,161.77 178.4,161.85 178.31,161.92 178.22,161.98 178.13,162.04 178.03,162.1 177.82,162.2 177.59,162.29 177.36,162.36 177.11,162.42 176.86,162.46 176.6,162.49 176.33,162.5 149.77,162.5 149.65,162.5 149.52,162.49 149.4,162.48 149.27,162.46 149.15,162.44 149.04,162.41 148.92,162.38 148.81,162.35 148.71,162.31 148.6,162.27 148.5,162.22 148.4,162.17 148.31,162.12 148.22,162.06 148.13,162 148.05,161.93 147.97,161.86 147.89,161.79 147.82,161.71 147.76,161.63 147.69,161.55 147.64,161.46 147.58,161.37 147.54,161.27 147.5,161.18 147.46,161.07 147.43,160.97 147.4,160.86 147.38,160.75 147.37,160.64 147.36,160.52 147.36,160.4 147.41,158.26 ; 166.55,158.26 166.55,162.48
  vias: v1(54.82,132.53) v1(73.81,132.55) v1(80.24,81.97) v1(91.44,169.51) v1(103.73,132.57) v1(106.89,258.14) v1(106.89,245.45) v1(106.89,233.09) v1(106.89,220.03) v1(106.89,207.56) v1(106.89,182.1) v1(106.89,169.58)
